# Altium PCB RFSOC_SAWG.PcbDoc (part 14 of 15) (continued)
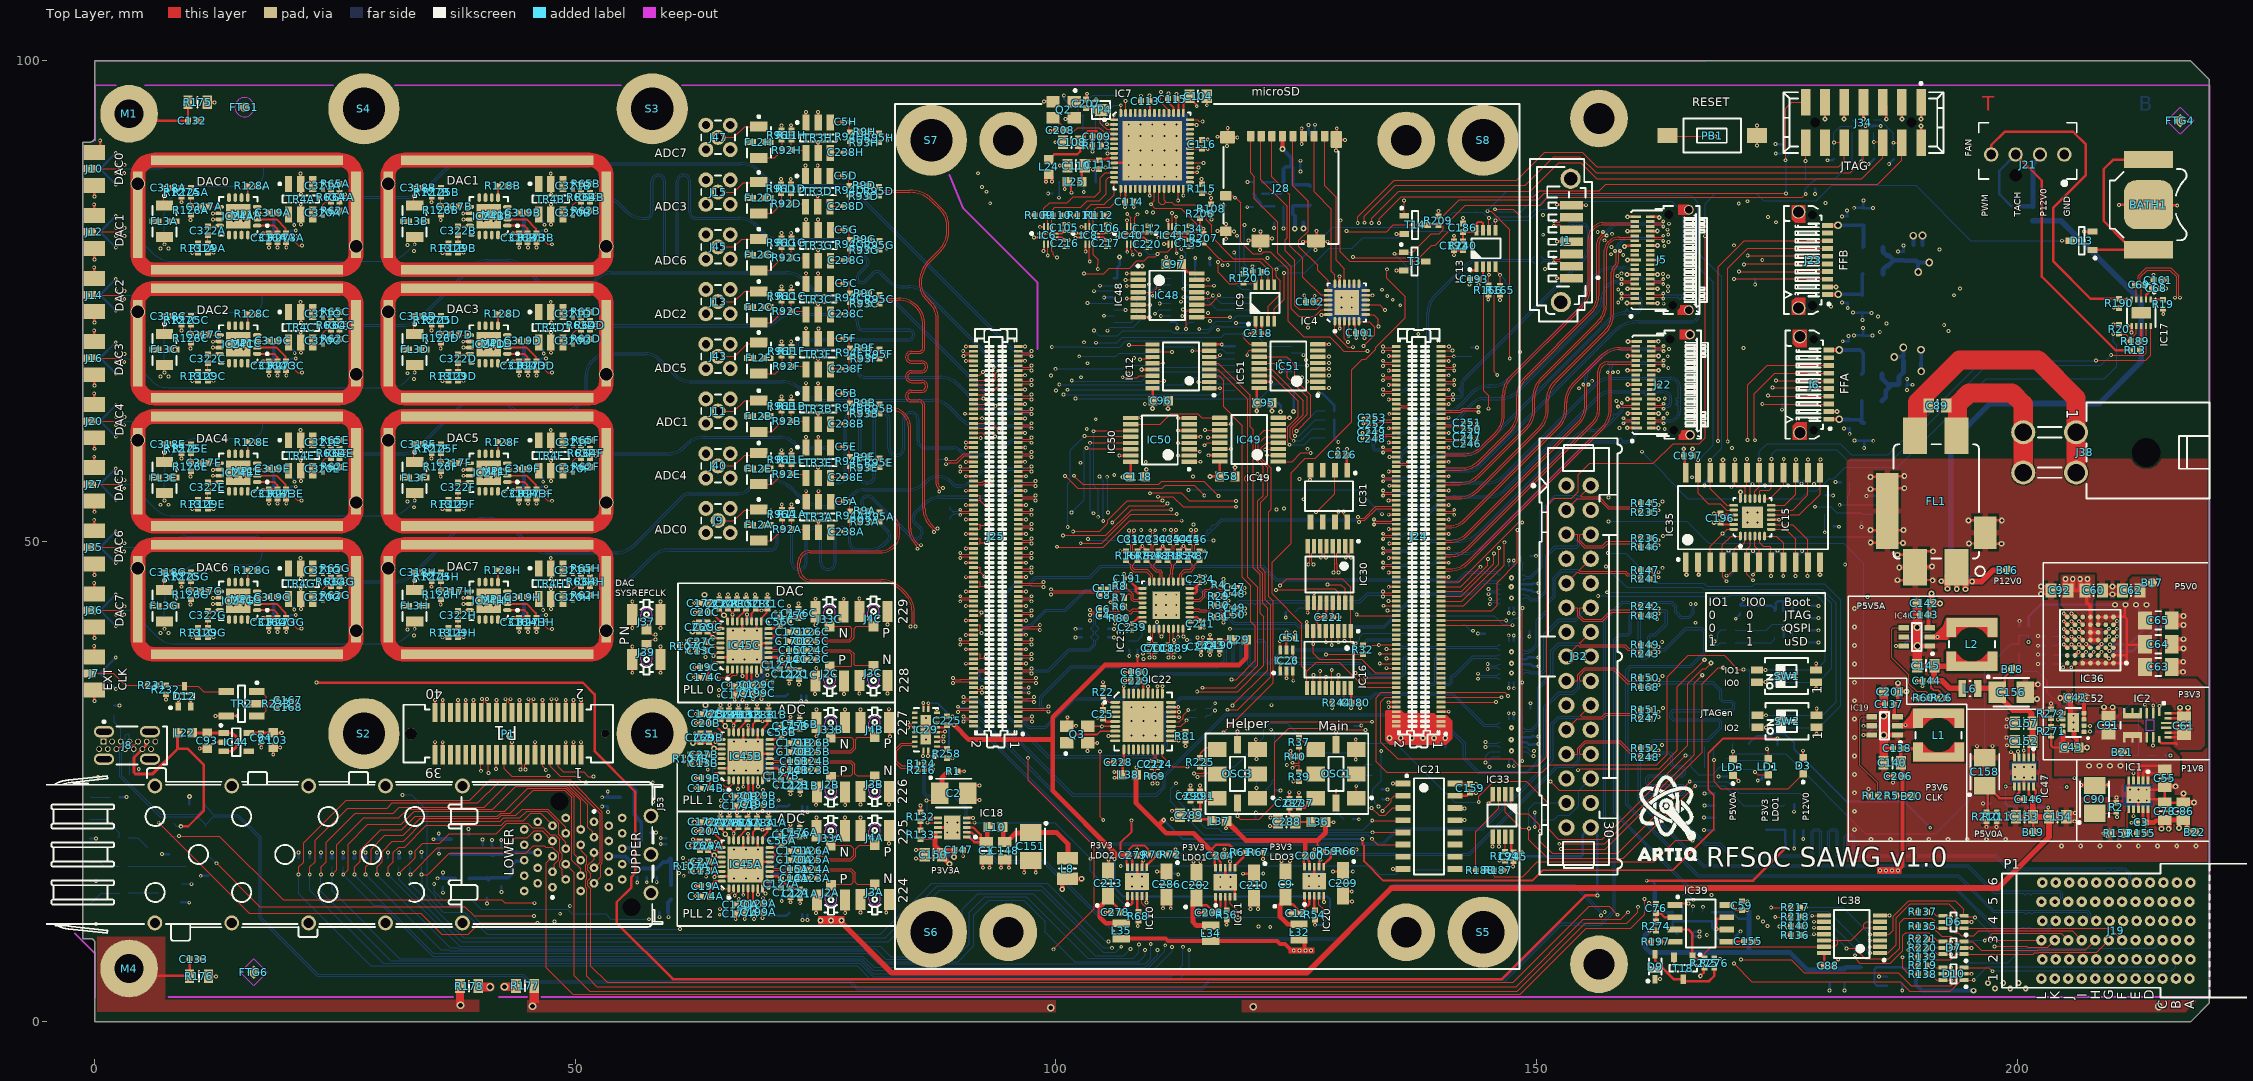
[diagram p0: Top Layer view]
## Nets (pads, with @x,y where several pads share a name; then routed paths per layer and width w, separated by ;. In a path a pad name is that pad's centre, name@x,y a point inside that pad or via, vN(x,y) a via of type N, cw(c..) or ccw(c..) an arc to the next point about the centre after c; other vN are vias at no path point) (continued)
SFP1_TX_DISABLE: IC32.1 J53.L3 R293.2 | length 195.3
  Top Layer w0.08: v1(34,15.325) 34.65,15.325 36.875,17.55 44.825,17.55 45.625,18.35 46.762,18.35 46.935,18.178 47.622,18.178 48.264,17.536 48.264,16.882 47.789,16.407 47.789,15.786 J53.L3@47.622,15.62
  Top Layer w0.127: v1(100.128,49.432) 100.151,49.409 104.934,49.409 107.674,52.149 v1(113.09,52.149)
  Mid-Layer 6 w0.127: v1(100.128,49.432) 100.128,37.822 104.51,33.44 104.51,32.938 106.8,30.648 106.8,30.025 109.725,27.1 114.05,27.1 115.45,25.7 115.45,23.3 111.325,19.175 111.325,15.615 105.482,9.772 v1(105.482,8.371) ; v1(110.798,77.352) 111.948,77.352 112.35,76.95 112.35,72.525 111.6,71.775 111.6,69.2 113.1,67.7 113.1,52.159 v1(113.09,52.149)
  Bottom Layer w0.127: R293.2@34,16.13 v1(34,15.325) 34.052,15.273 34.052,13.623 36.25,11.425 38.49,11.425 40.815,9.1 81.75,9.1 87.075,14.425 99.1,14.425 105.154,8.371 v1(105.482,8.371) ; v1(110.798,77.352) IC32.1@111.925,77.352
SFP1_TX_FAULT: IC50.12 J53.L2 R290.1 | length 180.5
  Top Layer w0.08: v1(31.65,15.4) 33.325,17.075 33.325,17.8 34.1,18.575 35.875,18.575 36.875,19.575 41.775,19.575 42.875,20.675 45.025,20.675 45.497,20.203 46.672,20.203 47.413,19.462 47.888,19.462 48.36,18.99 48.36,17.754 48.65,17.464 48.65,16.976 48.36,16.686 48.36,16.154 48.65,15.864 48.65,15.243 49.002,14.891 J53.L2@49.002,14.82
  Top Layer w0.127: v1(102.991,60.975) 103.04,60.926 107.726,60.926 IC50.12@107.775,60.877
  Mid-Layer 6 w0.127: v1(101.226,51.499) v1(101.226,51.499) 101.225,45.7 100.85,45.325 100.85,38.496 106.143,33.204 106.143,32.232 107.835,30.54 108.485,30.54 108.769,30.256 109.569,30.256 109.77,30.055 109.77,29.48 111.175,28.075 113.793,28.075 116.15,25.718 116.15,22.3 113.7,19.85 113.7,17.272 110.1,13.672 110.1,12.525 106.798,9.223 v1(106.798,7.816)
  Bottom Layer w0.127: v1(31.65,15.4) 31.65,16.107 R290.1@31.673,16.13 ; v1@31.673,15.445 31.673,14.777 38.125,8.325 82.55,8.325 87.925,13.7 98.475,13.7 104.95,7.225 106.207,7.225 v1(106.798,7.816) ; v1(101.226,51.499) v1(101.226,51.499) 101.225,56 101.485,56.26 101.485,59.469 v1(102.991,60.975)
SHARED_BUS_0: IC48.14 R137.1 | length 166.6
  Top Layer w0.127: IC48.14@114.65,76.575 115.93,76.575 115.955,76.6 v1(116.45,76.6) ; v1(188.925,11.425) 189.693,11.425 R137.1@189.705,11.438
  Mid-Layer 3 w0.127: v1(116.45,76.6) 118.159,76.6 118.379,76.819 130.498,76.819 130.603,76.925 142.723,76.925 142.888,77.09 143.415,77.09 148.875,82.55 148.875,83.3 150.209,84.634 152.709,84.634 153.44,85.365 157.665,85.365 157.8,85.5 166.25,85.5 169.2,82.55 169.2,79.386 170.901,77.685 187.116,77.685 188.5,76.3 v1(194.075,76.3)
  Mid-Layer 6 w0.127: v1(188.925,11.425) 187.975,12.375 183.875,12.375 180.275,15.975 180.275,31.108 182.475,33.308 182.475,43.6 186.375,47.5 186.375,50.1 194.1,57.825 v1@194.1,76.3
SHARED_BUS_1: IC48.3 R139.1 | length 184.5
  Top Layer w0.127: v1(107.373,76.575) IC48.3@108.55,76.575 ; v1(188.7,7.475) 189.299,6.876 189.629,6.876 R139.1@189.705,6.8
  Mid-Layer 3 w0.127: v1(107.373,76.575) 108.15,76.575 109.05,77.475 109.871,77.475 110.138,77.742 116.258,77.742 116.927,77.073 118.985,77.073 119.15,77.238 129.309,77.238 129.363,77.185 129.687,77.185 129.847,77.344 143.204,77.344 148.525,82.666 148.525,83.525 150.707,85.707 157.432,85.707 157.5,85.775 166.575,85.775 169.55,82.8 169.55,80.152 171.327,78.375 187.775,78.375 189.75,80.35 v1(191.95,80.35)
  Mid-Layer 6 w0.127: v1(188.7,7.475) 188.66,7.515 188.06,7.515 185.562,10.013 182.162,10.013 176.416,15.759 176.416,31.141 180.625,35.35 180.625,44.775 181.375,45.525 181.75,45.525 183.525,47.3 183.525,50.75 183.325,50.95 183.325,51.688 186.825,55.188 186.825,56.45 191.95,61.575 v1(191.95,80.35)
SHARED_BUS_2: IC48.4 R135.1 | length 167.6
  Top Layer w0.127: IC48.4@108.55,75.925 108.563,75.937 109.91,75.937 109.913,75.94 110.065,75.94 110.475,76.35 v1(110.475,76.85) ; v1(189.025,9.925) R135.1@189.705,9.925
  Mid-Layer 3 w0.127: v1(110.475,76.85) 110.5,76.825 115.65,76.825 116.475,76 117.925,76 118.49,76.565 142.11,76.565 142.391,76.285 153.19,76.285 155.65,73.825 164.705,73.825 164.905,74.025 164.905,74.59 166.041,75.725 172.75,75.725 174.1,77.075 187.125,77.075 188.6,75.6 v1(193.45,75.6)
  Mid-Layer 6 w0.127: v1(189.025,9.925) 187.25,11.7 183.55,11.7 179.725,15.525 179.725,31.35 181.775,33.4 181.775,43.325 186.121,47.671 186.121,50.646 193.45,57.975 v1(193.45,75.6)
SHARED_BUS_3: IC48.5 R220.1 | length 170.9
  Top Layer w0.127: v1(107.373,75.275) IC48.5@108.55,75.275 ; v1(188.75,8.2) 189.238,7.712 R220.1@189.705,7.712
  Mid-Layer 3 w0.127: v1(107.373,75.275) 108.123,76.025 110.272,76.025 110.636,75.661 111.184,75.661 111.408,75.885 114.018,75.885 114.539,75.364 114.539,75.361 115.015,74.884 115.989,74.884 116.229,75.125 117.048,75.125 117.598,75.675 124.4,75.675 125.225,74.85 134.425,74.85 135.315,73.96 143.89,73.96 145.324,72.526 149.614,72.526 149.62,72.521 173.979,72.521 177.475,69.025 184.6,69.025 188.075,72.5 v1(192.425,72.5)
  Mid-Layer 6 w0.127: v1(188.75,8.2) 188.225,8.2 185.825,10.6 182.325,10.6 177.275,15.65 177.275,31.261 180.95,34.936 180.95,43.998 183.9,46.948 183.9,49.975 184.475,50.55 185.017,50.55 192.425,57.958 v1(192.425,72.5)
SHARED_BUS_4: IC48.6 R221.1 | length 165.7
  Top Layer w0.127: IC48.6@108.55,74.625 108.563,74.612 109.763,74.612 v1(109.775,74.6) ; v1(188.975,8.875) 189.225,8.625 R221.1@189.705,8.625
  Mid-Layer 3 w0.127: v1(109.775,74.6) 110.285,74.6 110.524,74.361 112.089,74.361 112.244,74.515 115.559,74.515 115.834,74.241 117.091,74.241 118,75.15 122.3,75.15 123.15,74.3 128.725,74.3 129.425,73.6 143.625,73.6 144.953,72.272 149.509,72.272 149.515,72.267 173.308,72.267 177.325,68.25 184.7,68.25 188.35,71.9 v1(192.875,71.9)
  Mid-Layer 6 w0.127: v1(188.975,8.875) 188.25,8.875 186.05,11.075 182.975,11.075 178.5,15.55 178.5,31.225 181.45,34.175 181.45,43.725 185.339,47.614 185.339,49.714 185.725,50.1 185.725,50.65 192.9,57.825 v1@192.9,71.9
SPI_CLK: IC12.11 IC32.11 IC34.11 IC43.11 IC48.2 IC49.2 IC50.2 IC51.2 J25.124 | length 88.8
  Top Layer w0.127: J25.124@91.415,61.272 92.328,61.272 v1(92.8,60.8) ; v1(107.225,77.2) 107.237,77.212 108.538,77.212 IC48.2@108.55,77.225 ; v1(108.741,68.916) 108.814,68.916 108.912,69.013 109.889,69.013 IC12.11@110.05,69.175 ; v1(112.698,58.927) IC50.2@113.875,58.927 ; v1(121.973,58.95) IC49.2@123.15,58.95 ; v1(126.15,66.625) 126.162,66.613 127.238,66.613 IC51.2@127.25,66.6
  Mid-Layer 3 w0.127: v1(92.8,60.8) 94.328,59.272 96.884,59.272 97.362,59.75 101.025,59.75 101.458,59.317 112.308,59.317 v1(112.698,58.927) 115.023,58.927 115.4,58.55 121.573,58.55 v1(121.973,58.95) 121.998,58.925 123.275,58.925 123.976,59.626 v1(126.184,59.626) ; v1(107.225,74.075) 107.25,74.1 113.2,74.1 v1(113.225,74.125) ; v1(108.741,68.916) 113.185,68.915 113.381,68.719 v1(123.306,68.719) ; v1@123.325,68.719 125.82,68.719 125.951,68.85 v1(126.025,68.85)
  Mid-Layer 6 w0.127: v1(107.225,77.2) 106.983,76.958 106.983,74.317 v1(107.225,74.075) 108.741,72.559 v1(108.741,68.916) ; v1(126.025,68.85) 126.025,68.808 125.725,68.508 125.725,67.55 126.15,67.125 v1(126.15,66.625) 126.167,66.608 126.167,59.643 v1(126.184,59.626)
  Bottom Layer w0.127: IC32.11@106.025,74.102 106.052,74.075 v1(107.225,74.075) ; v1(113.225,74.125) 114.377,74.125 IC34.11@114.4,74.102 ; v1(123.306,68.719) 123.306,68.725 123.559,68.978 124.497,68.978 IC43.11@124.5,68.975
SPI_CSn: IC12.12 IC32.12 IC34.12 IC43.12 IC49.1 IC51.1 J25.126 | length 81.5
  Top Layer w0.127: J25.126@91.415,61.772 92.803,61.772 v1(93.65,60.925) ; IC12.12@110.05,68.525 v1(111.177,68.525) ; IC49.1@123.15,58.3 124.575,58.3 125.475,59.2 v1(126.51,59.2) ; IC51.1@127.25,65.95 v1(128.427,65.95)
  Mid-Layer 3 w0.127: v1(93.65,60.925) 93.686,60.889 97.001,60.889 97.48,61.368 97.918,61.368 98.228,61.678 v1(103.206,61.678) ; v1(103.3,68.525) v1(111.177,68.525) 112.639,68.525 112.835,68.328 126.122,68.328 126.143,68.307 v1(126.131,68.296) ; v1(103.3,74.8) 103.35,74.75 108.25,74.75 108.642,75.142 110.96,75.142 111.167,74.935 v1(113.002,74.935)
  Mid-Layer 6 w0.127: v1(103.206,61.678) 103.253,61.725 103.253,68.478 v1(103.3,68.525) v1(103.3,74.8) ; v1(126.131,68.296) 126.146,68.296 126.15,68.3 126.45,68.3 128.427,66.323 v1(128.427,65.95) 126.575,64.098 126.575,59.464 126.562,59.451 126.562,59.252 v1(126.51,59.2)
  Bottom Layer w0.127: v1(103.3,74.8) 103.348,74.752 IC32.12@106.025,74.752 ; v1(113.002,74.935) 113.024,74.913 114.239,74.913 IC34.12@114.4,74.752 ; IC43.12@124.5,68.325 124.503,68.328 126.122,68.328 126.143,68.307 v1(126.131,68.296)
SPI_LDn: IC48.1 IC50.1 J25.130 | length 47.1
  Top Layer w0.127: J25.130@91.415,62.772 91.429,62.786 92.311,62.786 v1(92.325,62.8) ; v1(107.373,77.875) IC48.1@108.55,77.875 ; IC50.1@113.875,58.277 v1(115.052,58.277)
  Mid-Layer 3 w0.127: v1(92.325,62.8) 95.912,62.8 97.387,64.275 v1(109.25,64.275) ; v1(109.35,58.25) 109.363,58.263 115.039,58.263 v1(115.052,58.277)
  Mid-Layer 6 w0.127: v1(107.373,77.875) 107.764,77.485 107.764,74.436 109.425,72.775 109.425,64.524 109.25,64.349 v1(109.25,64.275) 109.3,64.225 109.3,58.3 v1(109.35,58.25)
SPI_MISO: IC51.9 J25.128 | length 39.7
  Top Layer w0.127: J25.128@91.415,62.272 93.303,62.272 v1(94.1,61.475) ; v1@119.55,71.575 v1(119.59,71.575) 119.575,71.56 119.575,71.075 120.15,70.5 IC51.9@121.15,70.5
  Mid-Layer 3 w0.127: v1(94.1,61.475) 96.087,61.475 97.312,62.7 v1(104.15,62.7)
  Mid-Layer 6 w0.127: v1(104.15,62.7) 104.171,62.721 v1(104.171,70.669)
  Bottom Layer w0.127: v1(104.171,70.669) 106.344,70.669 106.9,71.225 117.2,71.225 117.55,71.575 v1(119.59,71.575)
SPI_MOSI: IC12.14 J25.122 | length 29.1
  Top Layer w0.127: J25.122@91.415,60.772 91.426,60.761 92.164,60.761 v1(92.175,60.75) ; v1(106.95,67.071) 107.374,67.071 107.436,67.01 108.456,67.01 108.671,67.225 IC12.14@110.05,67.225
  Mid-Layer 3 w0.127: v1(92.175,60.75) 92.175,60.125 93.475,58.825 96.832,58.825 97.48,58.176 102.574,58.176 v1(102.575,58.175) ; v1(102.625,67.071) v1(106.95,67.071)
  Mid-Layer 6 w0.127: v1(102.575,58.175) 102.6,58.2 102.6,67.047 v1(102.625,67.071)
STRIP1: R178.1 | length 1.3
  Top Layer w0.9: R178.1@39.9,3.725 39.9,3.681 39.95,3.631 v7(41.132,3.631)
  other v7: 120.525,1.575 214.75,1.6
STRIP2: R177.1
  other v7: 99.458,1.479 45.55,1.625
STRIP3: C133.1 M4.1 R176.1 R178.2 | length 8.4
  Top Layer w0.254: M4.1@3.57,5.55 4.321,4.799 9.776,4.799 R176.1@9.85,4.725 9.869,4.744 C133.1@9.869,6.527
  other v7: 38.05,1.725
testloop0: IC34.4 IC48.11 | length 6.2
  Top Layer w0.127: IC48.11@114.65,74.625 116.049,74.625 116.959,75.536 v1(116.959,75.61)
  Bottom Layer w0.127: v1(116.959,75.61) 117.181,75.388 120.286,75.388 IC34.4@120.3,75.402
testloop1: IC34.5 IC48.12 | length 6.1
  Top Layer w0.127: IC48.12@114.65,75.275 116.025,75.275 v1(116.325,75.575)
  Bottom Layer w0.127: v1(116.325,75.575) 117.148,74.752 IC34.5@120.3,74.752
testloop2: IC34.6 IC48.13 | length 6.9
  Top Layer w0.127: IC48.13@114.65,75.925 114.688,75.887 115.763,75.887 v1(115.8,75.85)
  Bottom Layer w0.127: v1(115.8,75.85) 115.8,75.035 116.733,74.102 IC34.6@120.3,74.102
testloop3: IC34.7 IC50.5 | length 18.5
  Top Layer w0.254: IC50.5@113.875,60.877 v1(115.052,60.877)
  Mid-Layer 6 w0.127: v9(114.916,72.075) 114.925,72.066 114.925,67.025 115.214,66.737 115.214,63.924 115.077,63.788 115.077,60.902 v1(115.052,60.877)
  Bottom Layer w0.127: v9(114.916,72.075) 115.88,72.075 116.705,72.9 118.255,72.9 118.83,73.475 120.277,73.475 IC34.7@120.3,73.452
THERM_N: IC17.1 R19.2 | length 1.3
  Top Layer w0.254: IC17.1@213.925,75.15 215.195,75.15 R19.2@215.2,75.145
UART0_RX: IC40.4 J24.43 TP17.1 | length 102.5
  Top Layer w0.127: IC40.4@107.792,80.925 107.792,80.334 107.948,80.178 107.948,79.877 v1(108,79.825) ; J24.43@140.085,41.272 147.497,41.272 v1(147.5,41.275) ; v1(145.675,84.55) 147.575,84.55 148.295,83.83 v1(148.295,69.712)
  Mid-Layer 3 w0.127: v1(109.45,84.25) 109.79,84.59 111.406,84.59 111.625,84.81 111.662,84.81 111.727,84.875 116.025,84.875 116.64,84.26 138.86,84.26 139.4,84.8 145.373,84.8 145.623,84.55 v1(145.675,84.55) ; v1(147.5,41.275) 148.1,41.875 148.1,47.098 148.915,47.914 148.915,52.635 148.295,53.255 v1(148.295,69.712)
  Mid-Layer 6 w0.127: v1(108,79.825) 108,82.8 v1(109.45,84.25)
  Bottom Layer w0.127: v1(145.675,84.55) 145.677,84.55 145.952,84.275 148.375,84.275 149.65,85.55 TP17.1@149.65,86.4
UART0_TX: IC40.5 J24.45 TP16.1 | length 95.9
  Top Layer w0.127: IC40.5@108.192,80.925 108.192,80.364 108.706,79.85 v1(108.75,79.85) ; J24.45@140.085,41.772 146.847,41.772 v1(146.85,41.775) ; v1(144.9,84.35) 145.3,84.35 145.862,83.788 145.912,83.788 146.14,83.559 146.14,83.51 147.224,82.426 v1(147.224,69.04)
  Mid-Layer 3 w0.127: v1(110.1,84.2) 111.425,84.2 111.775,84.55 115.375,84.55 115.95,83.975 133.8,83.975 134.5,83.275 140.3,83.275 141.375,84.35 v1(144.9,84.35) ; v1(146.85,41.775) 146.85,42.247 146.721,42.377 146.721,48.271 147.224,48.774 v1(147.224,69.04)
  Mid-Layer 6 w0.127: v1(108.75,79.85) 108.75,82.875 110.075,84.2 v1(110.1,84.2)
  Bottom Layer w0.127: v1(144.9,84.35) 144.9,84.4 TP16.1@146.925,86.425
USB0_CPEN: J24.155 P1.23 R122.2 | length 183.4
  Top Layer w0.127: v1(41.75,26.3) 41.75,27.75 P1.23@41.8,27.8 ; J24.155@140.085,69.272 140.096,69.261 141.389,69.261 v1(141.4,69.25)
  Mid-Layer 3 w0.127: v1(47.825,10.45) 51.15,7.125 83.275,7.125 83.821,6.579 95.554,6.579 97.737,8.762 114.363,8.762 115.25,7.875 127.25,7.875 134.5,15.125 134.5,16.075 135.075,16.65 135.65,16.65 136.775,17.775 136.775,28.375 136.475,28.675 136.475,30.225 137.125,30.875 137.125,62.599 135.476,64.248 134.218,64.248 133.559,64.907 133.559,70.348 134.012,70.8 136.15,70.8 137.7,69.25 v1(141.4,69.25)
  Mid-Layer 6 w0.127: v1(41.75,26.3) 41.825,26.225 41.825,26.2 46.9,21.125 46.9,11.375 v1(47.825,10.45)
  Bottom Layer w0.127: v1(141.4,69.25) 143.205,69.25 R122.2@143.225,69.23
USB0_D_N: J24.160 P1.17 | length 190.3
  Top Layer w0.129: P1.17@44.2,27.8 44.2,27.05 44.386,26.864 44.397,26.864 44.472,26.789 44.472,26.522 44.298,26.348 v1(44.298,26.275) ; v1(134.05,70.286) 134.123,70.286 134.259,70.15 134.47,70.15 134.978,70.15 135.1,70.272 J24.160@135.415,70.272
  Mid-Layer 3 w0.106: v1(44.298,26.275) 44.298,26.213 44.445,26.066 44.445,25.795 40.175,21.525 39.021,21.525 37.767,20.271 37.767,13.329 40.45,10.646 40.45,9.246 45.454,4.242 127.796,4.242 141.683,18.129 141.683,30.646 140.3,32.029 140.3,65.904 136.065,70.139 134.259,70.139 134.112,70.286 v1(134.05,70.286)
USB0_D_P: J24.158 P1.15 | length 189.5
  Top Layer w0.129: v1(44.825,26.275) 44.825,26.348 44.728,26.446 44.728,26.789 44.803,26.864 44.814,26.864 45,27.05 P1.15@45,27.8 ; v1(134.05,69.759) 134.123,69.759 134.259,69.895 134.576,69.895 134.978,69.895 135.1,69.772 J24.158@135.415,69.772
  Mid-Layer 3 w0.106: v1(44.825,26.275) 44.825,26.213 44.678,26.066 44.678,25.699 40.271,21.292 39.117,21.292 38,20.175 38,13.425 40.683,10.742 40.683,9.342 45.55,4.475 127.7,4.475 141.45,18.225 141.45,30.55 140.067,31.933 140.067,65.808 137.113,68.762 137.075,68.8 136.803,69.072 136.678,69.072 136.662,69.056 136.536,69.056 136.411,69.182 136.411,69.307 136.426,69.323 136.426,69.449 136.175,69.7 136.138,69.738 135.969,69.906 135.951,69.906 135.232,69.906 135.143,69.817 135.143,69.795 135.054,69.706 134.876,69.706 134.787,69.795 134.787,69.817 134.698,69.906 134.29,69.906 134.259,69.906 134.112,69.759 v1(134.05,69.759)
USB0_ID: J24.159 P1.21 | length 181
  Top Layer w0.127: P1.21@42.6,27.8 42.6,26.35 43.375,25.575 v1(47.2,25.575) ; J24.159@140.085,70.272 140.086,70.274 140.899,70.274 v1(140.9,70.275)
  Mid-Layer 3 w0.127: v1(49.425,12.05) 51.175,12.05 55.321,7.904 82.079,7.904 86.275,12.1 97.75,12.1 100.5,9.35 124.216,9.35 127.491,12.624 130.091,15.225 132.475,15.225 136.074,18.824 136.074,26.528 134.226,28.376 134.226,29.728 136.074,31.576 136.074,56.842 135.696,57.22 135.696,61.679 133.046,64.329 133.046,67.688 132.884,67.851 132.884,70.834 133.562,71.512 136.914,71.512 138.15,70.275 v1(140.9,70.275)
  Mid-Layer 6 w0.127: v1(47.2,25.575) 47.8,25.575 49.668,23.707 49.668,14.544 49.425,14.302 v1(49.425,12.05)
USB0_VBUS: J24.157 P1.11 | length 181.5
  Top Layer w0.127: P1.11@46.6,27.8 46.6,26.575 46.925,26.25 v1(46.925,26.225) ; J24.157@140.085,69.772 140.124,69.811 141.236,69.811 v1(141.275,69.85)
  Mid-Layer 3 w0.127: v1(48.425,11.25) 48.45,11.275 50.275,11.275 53.9,7.65 83.859,7.65 84.676,6.833 88.508,6.833 93.35,11.675 97.023,11.675 99.632,9.066 127.443,9.066 129.296,10.919 129.296,12.996 131.1,14.8 132.825,14.8 136.425,18.4 136.425,26.975 135.225,28.175 135.225,30.025 136.425,31.225 136.425,56.85 135.95,57.325 135.95,63.125 135.169,63.906 134.019,63.906 133.3,64.625 133.3,70.55 133.925,71.175 136.55,71.175 137.875,69.85 v1(141.275,69.85)
  Mid-Layer 6 w0.127: v1(46.925,26.225) 45.817,25.117 45.817,23.508 48.288,21.037 48.288,14.593 48.625,14.256 48.625,12.89 48.425,12.69 v1(48.425,11.25)
USB_D_R_N: D4.3 IC7.7 J8.A7 J8.B7 | length 332.7
  Top Layer w0.093: J8.B7@2.25,28.38 2.332,28.38 2.602,28.65 2.81,28.65 2.971,28.812 3.329,28.812 3.412,28.728 3.779,28.728 3.862,28.812 4.152,28.812 J8.A7@4.5,29.16
  Top Layer w0.129: v1(105.355,90.884) 105.362,90.877 106.048,90.877 IC7.7@106.055,90.87
  Mid-Layer 6 w0.106: v1@105.293,90.884 v1(105.355,90.884) 105.417,90.884 105.564,90.736 105.813,90.736 106.392,91.316 106.392,93.571 107.629,94.808 118.467,94.808 120.8,92.475 120.8,89.475 124.142,86.133 133.517,86.133 139.25,80.4 139.25,73.825 140.117,72.958 166.696,72.958 167.04,72.615 167.683,71.971 167.683,57.033 166.43,55.78 166.43,43.684 166.577,43.537 v1(166.577,43.475)
  Bottom Layer w0.093: J8.B7@2.25,28.38 2.59,28.04 2.59,25.524 6.751,21.363 10.691,21.363 D4.3@11.531,20.523 ; D4.3@11.531,20.323 D4.3@11.531,20.523 ; v1(166.577,43.475) 166.577,43.421 166.424,43.267 166.424,42.512 165.916,42.005 164.984,42.005 164.38,42.609 164.38,43.145 163.975,43.55 158.975,43.55 157.225,41.8 157.225,19.95 158.22,18.955 158.22,11.534 156.766,10.08 152.605,10.08 146.63,4.105 115.98,4.105 115.205,3.33 79.309,3.33 78.564,4.075 45.139,4.075 44.489,4.725 23.164,4.725 17.105,10.784 17.105,19.095 14.857,21.343 12.351,21.343 D4.3@11.531,20.523
USB_D_R_P: D4.2 IC7.8 J8.A6 J8.B6 | length 332
  Top Layer w0.129: v1(105.355,90.357) 105.362,90.363 106.048,90.363 IC7.8@106.055,90.37
  Mid-Layer 6 w0.106: v1@105.293,90.357 v1(105.355,90.357) 105.417,90.357 105.564,90.504 105.909,90.504 106.625,91.219 106.625,91.875 106.625,92.184 cw(c106.753,92.184) 106.753,92.312 106.786,92.312 ccw(c106.786,92.44) 106.786,92.567 106.753,92.567 cw(c106.753,92.695) 106.625,92.695 106.625,93.275 106.625,93.475 107.725,94.575 118.371,94.575 118.771,94.175 118.935,94.01 120.567,92.379 120.567,89.379 120.635,89.31 124.046,85.9 133.421,85.9 135.371,83.95 135.535,83.785 139.017,80.304 139.017,73.729 139.085,73.66 140.021,72.725 166.6,72.725 166.71,72.615 166.875,72.45 167.45,71.875 167.45,57.129 166.197,55.876 166.197,43.684 166.05,43.537 v1(166.05,43.475)
  Bottom Layer w0.093: J8.A6@3.6,29.16 3.6,29.85 3.525,29.925 3.325,29.925 3.15,29.75 3.15,29.38 3.173,29.356 3.173,28.964 3.15,28.94 J8.B6@3.15,28.38 2.81,28.04 2.81,25.615 6.842,21.583 10.691,21.583 D4.2@11.531,22.423 ; D4.2@11.531,22.623 D4.2@11.531,22.423 ; v1(166.05,43.475) 166.05,43.421 166.204,43.267 166.204,42.603 165.825,42.225 165.075,42.225 164.6,42.7 164.6,43.236 164.066,43.77 158.884,43.77 157.005,41.891 157.005,19.859 158,18.864 158,11.625 156.675,10.3 152.514,10.3 146.539,4.325 115.889,4.325 115.114,3.55 79.4,3.55 78.655,4.295 45.23,4.295 44.58,4.945 23.255,4.945 17.325,10.875 17.325,19.186 14.949,21.563 12.391,21.563 D4.2@11.531,22.423
USB_SCL: IC9.3 IC13.6 IC15.19 IC35.22 R169.1 TP19.1 | length 90.6
  Top Layer w0.127: IC9.3@122.075,72.9 122.075,74.45 123.35,75.725 123.35,77.101 122.94,77.511 v1(122.94,78.303) ; v1(145.05,83.625) 145.05,82.4 IC13.6@145.075,82.375 ; v1(168.075,58.475) 168.075,57.135 IC35.22@168.085,57.125 168.085,55.49 169.825,53.75 IC15.19@170.525,53.75
  Bottom Layer w0.127: v1(122.94,78.303) 123.3,78.662 124.785,78.662 128.798,82.675 139.775,82.675 141.35,84.25 143.679,84.25 143.709,84.28 143.74,84.25 144.425,84.25 v1(145.05,83.625) 145.065,83.64 145.44,83.64 145.588,83.788 149.088,83.788 151.3,86 166.075,86 166.8,85.275 166.8,80.025 169.3,77.525 169.3,59.7 v1(168.075,58.475) R169.1@168.075,57.595
USB_SDA: IC9.4 IC13.5 IC15.20 IC35.23 R167.1 TP18.1 | length 88.1
  Top Layer w0.127: IC9.4@122.725,72.9 122.725,74.175 123.736,75.186 v1(123.736,77.936) ; IC13.5@145.725,82.375 145.75,82.4 v1(145.75,83.397) ; v1(166.825,58.45) 166.825,57.135 IC35.23@166.815,57.125 166.815,54.985 167.9,53.9 169.125,53.9 169.775,53.25 IC15.20@170.525,53.25
  Bottom Layer w0.127: v1(123.736,77.936) 125.911,77.936 128.45,80.475 130.85,80.475 131.95,81.575 135.601,81.575 136.277,82.25 143.548,82.25 143.688,82.11 143.828,82.25 144.603,82.25 v1(145.75,83.397) 149.247,83.397 150.425,84.575 152.65,84.575 153.44,85.365 164.06,85.365 165.159,84.266 165.159,84.214 165.25,84.123 165.25,80.075 168.375,76.95 168.375,60 v1(166.825,58.45) 166.825,57.62 R167.1@166.8,57.595
USB_TCK: IC6.9 IC7.12 R109.1 | length 11.8
  Top Layer w0.127: IC6.9@99.175,82.725 99.175,83.475 98.745,83.905 R109.1@98.745,83.925 98.745,84.645 99.35,85.25 101.175,85.25 101.8,85.875 104.025,85.875 104.6,86.45 104.6,87.825 105.145,88.37 IC7.12@106.055,88.37
USB_TDI_DO: IC6.8 IC7.13 R110.1 | length 10.5
  Top Layer w0.127: IC6.8@99.575,82.725 99.575,83.845 99.65,83.92 99.65,84.525 99.875,84.75 102.575,84.75 103.275,85.45 104.5,85.45 105.225,86.175 105.225,87.6 105.495,87.87 IC7.13@106.055,87.87
USB_TDO_DI: IC7.14 IC8.9 R111.1 | length 6.8
  Top Layer w0.127: IC8.9@103.483,82.725 103.483,83.567 103.145,83.905 R111.1@103.145,83.925 103.145,84.545 103.675,85.075 105.05,85.075 106.055,86.08 IC7.14@106.055,87.37
USB_TMS: IC7.15 IC8.8 R112.1 | length 5.9
  Top Layer w0.127: IC8.8@103.883,82.725 103.883,83.753 R112.1@104.055,83.925 104.055,84.53 104.3,84.775 105.653,84.775 106.755,85.877 IC7.15@106.755,86.67
USB_VBUS: D4.4 J8.A4 J8.A9 J8.B4 J8.B9 L22.1 R114.1 | length 29.1
  Top Layer w0.254: 8.6,28.4 9.7,28.4 11.325,26.775 11.325,21.95 9.725,20.35 v3(8.95,20.35)
  Top Layer w0.3: J8.A9@5.4,29.16 5.343,29.103 5.343,28.773 J8.B4@4.95,28.38 4.95,28.377 4.075,27.502 4.075,25.951 4.251,25.775 5.975,25.775 8.6,28.4 L22.1@8.6,30.25
  Mid-Layer 3 w0.127: J8.A4@1.8,29.16 1.474,28.834 1.405,28.765 1.405,28.435 J8.B9@1.35,28.38 1.411,28.38 1.661,28.131 1.727,28.131 1.968,27.89 4.46,27.89 J8.B4@4.95,28.38
  Bottom Layer w0.093: R114.1@8.195,20.675 8.195,20.655 8.5,20.35 v3(8.95,20.35) 9.603,20.35 D4.4@9.631,20.323
VCO_OUTAA_N: C15A.1 IC45A.12 | length 2.6
  Top Layer w0.093: IC45A.12@70.225,16.144 70.518,16.144 70.658,16.004 71.375,16.004 71.862,15.516 72.032,15.516 72.087,15.571 72.087,15.605 C15A.1@72.35,15.869 ; C15A.1@72.362,15.856 C15A.1@72.375,15.869
VCO_OUTAA_P: C14A.1 IC45A.11 | length 2.6
  Top Layer w0.093: IC45A.11@70.225,15.644 70.518,15.644 70.658,15.784 71.284,15.784 71.771,15.296 72.032,15.296 72.087,15.242 72.087,15.207 C14A.1@72.35,14.944 ; C14A.1@72.362,14.956 C14A.1@72.375,14.944
VCO_OUTAB_N: C15B.1 IC45B.12 | length 2.6
  Top Layer w0.093: IC45B.12@70.225,27.385 70.518,27.385 70.658,27.245 71.375,27.245 71.862,26.757 72.032,26.757 72.087,26.812 72.087,26.846 C15B.1@72.35,27.11 ; C15B.1@72.362,27.097 C15B.1@72.375,27.11
VCO_OUTAB_P: C14B.1 IC45B.11 | length 2.6
  Top Layer w0.093: IC45B.11@70.225,26.885 70.518,26.885 70.658,27.025 71.284,27.025 71.771,26.537 72.032,26.537 72.087,26.483 72.087,26.448 C14B.1@72.35,26.185 ; C14B.1@72.362,26.197 C14B.1@72.375,26.185
VCO_OUTAC_N: C15C.1 IC45C.12 | length 2.6
  Top Layer w0.093: IC45C.12@70.097,38.918 70.39,38.918 70.53,38.778 71.246,38.778 71.734,38.29 71.904,38.29 71.958,38.345 71.958,38.379 C15C.1@72.222,38.643 ; C15C.1@72.234,38.63 C15C.1@72.247,38.643
VCO_OUTAC_P: C14C.1 IC45C.11 | length 2.6
  Top Layer w0.093: IC45C.11@70.097,38.418 70.39,38.418 70.53,38.558 71.155,38.558 71.643,38.07 71.904,38.07 71.958,38.016 71.958,37.981 C14C.1@72.222,37.718 ; C14C.1@72.234,37.73 C14C.1@72.247,37.718
VCO_OUTBA_N: C171A.1 IC45A.15 | length 2.4
  Top Layer w0.093: IC45A.15@70.225,17.644 70.518,17.644 70.658,17.504 71.18,17.504 71.255,17.429 72.032,17.429 72.087,17.483 72.087,17.53 C171A.1@72.35,17.794 ; C171A.1@72.362,17.781 C171A.1@72.375,17.794
VCO_OUTBA_P: C170A.1 IC45A.14 | length 2.4
  Top Layer w0.093: IC45A.14@70.225,17.144 70.518,17.144 70.658,17.284 71.088,17.284 71.163,17.209 72.032,17.209 72.087,17.154 72.087,17.107 C170A.1@72.35,16.844 ; C170A.1@72.362,16.856 C170A.1@72.375,16.844
VCO_OUTBB_N: C171B.1 IC45B.15 | length 2.4
  Top Layer w0.093: IC45B.15@70.225,28.885 70.518,28.885 70.658,28.745 71.18,28.745 71.255,28.67 72.032,28.67 72.087,28.724 72.087,28.771 C171B.1@72.35,29.035 ; C171B.1@72.362,29.022 C171B.1@72.375,29.035
VCO_OUTBB_P: C170B.1 IC45B.14 | length 2.4
  Top Layer w0.093: IC45B.14@70.225,28.385 70.518,28.385 70.658,28.525 71.088,28.525 71.163,28.45 72.032,28.45 72.087,28.395 72.087,28.348 C170B.1@72.35,28.085 ; C170B.1@72.362,28.097 C170B.1@72.375,28.085
VCO_OUTBC_N: C171C.1 IC45C.15 | length 2.4
  Top Layer w0.093: IC45C.15@70.097,40.418 70.39,40.418 70.53,40.278 71.051,40.278 71.126,40.203 71.904,40.203 71.958,40.257 71.958,40.304 C171C.1@72.222,40.568 ; C171C.1@72.234,40.555 C171C.1@72.247,40.568
VCO_OUTBC_P: C170C.1 IC45C.14 | length 2.4
  Top Layer w0.093: IC45C.14@70.097,39.918 70.39,39.918 70.53,40.058 70.96,40.058 71.035,39.983 71.904,39.983 71.958,39.928 71.958,39.881 C170C.1@72.222,39.618 ; C170C.1@72.234,39.63 C170C.1@72.247,39.618
VtuneA: C18A.2 IC45A.20 R18A.2 | length 4.2
  Top Layer w0.254: v1(67.967,19.577) 67.971,19.572 67.971,18.898 IC45A.20@67.975,18.894
  Bottom Layer w0.254: v1(67.967,19.577) 67.967,19.552 68.455,19.064 R18A.2@69.925,19.064 69.944,19.064 70.406,18.602 70.767,18.602 C18A.2@70.95,18.419
VtuneB: C18B.2 IC45B.20 R18B.2 | length 4.2
  Top Layer w0.254: IC45B.20@67.975,30.135 67.984,30.143 67.984,30.814 v1(67.998,30.829)
  Bottom Layer w0.254: v1(67.998,30.829) 67.998,30.789 68.296,30.492 68.296,30.484 68.475,30.305 R18B.2@69.925,30.305 70.088,30.142 70.26,30.142 70.559,29.843 70.767,29.843 C18B.2@70.95,29.66